# Altium PCB Slave.PcbDoc (part 5 of 10) (continued)
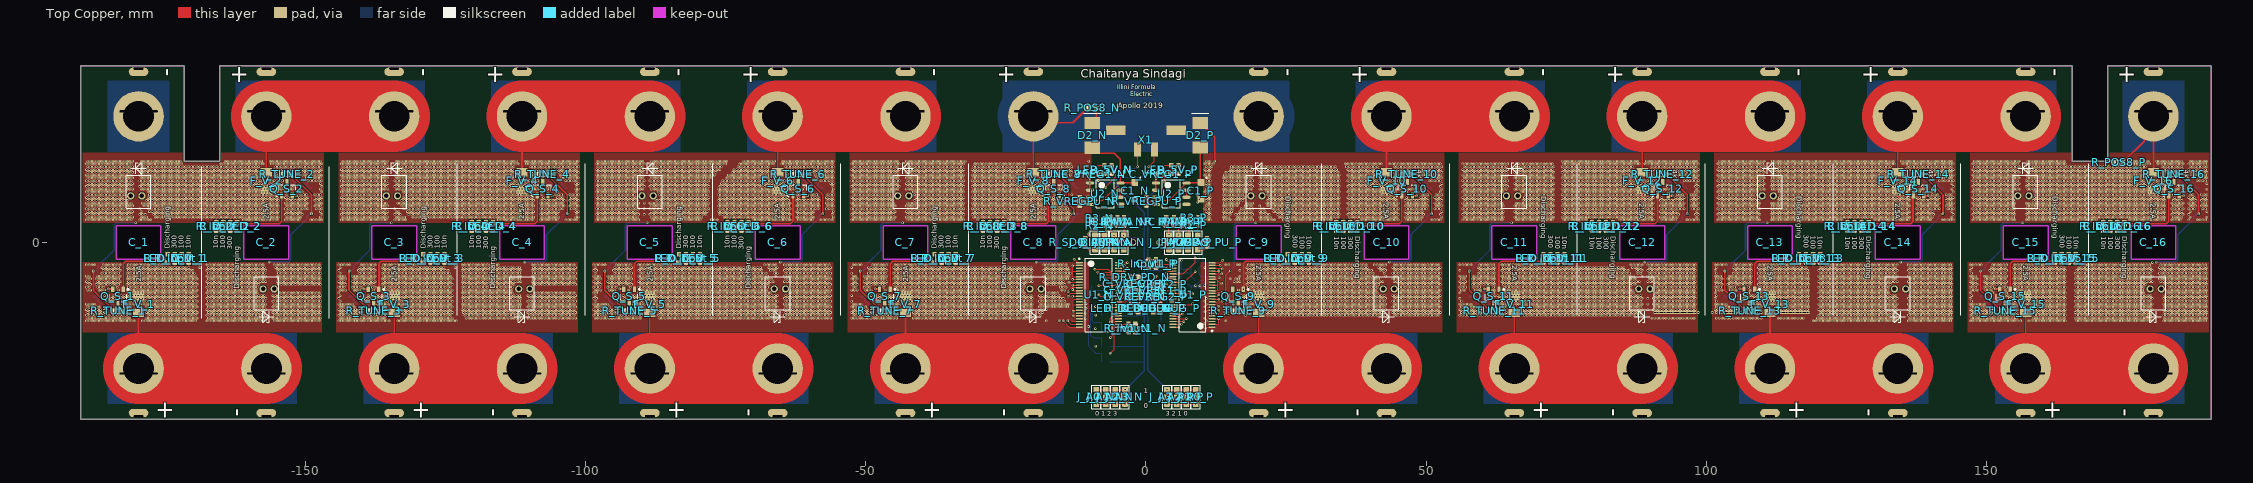
[diagram p0: Top Copper view]
## Nets (pads, with @x,y where several pads share a name; then routed paths per layer and width w, separated by ;. In a path a pad name is that pad's centre, name@x,y a point inside that pad or via, vN(x,y) a via of type N, cw(c..) or ccw(c..) an arc to the next point about the centre after c; other vN are vias at no path point) (continued)
F_10: C_V_10.2 F_V_10.2 PTC_10.2 Q_D_10.2 R_D_LED_10.2 R_Input_10.1 | length 3.9
  Top Copper w0.254: C_V_10.2@33.95,3.6 R_Input_10.1@35.2,3.6 R_D_LED_10.2@36.45,3.6
  Top Copper w0.305: v1@42.925,8.1 F_V_10.2@42.925,9.48
  other v1: 10.499,4 10.999,4 11.499,4 13.999,4 14.499,4 14.999,4 15.999,4 16.499,4 16.999,4 17.499,4 17.999,4 18.499,4 18.999,4 20.499,4 20.999,4 21.499,4 21.999,4 22.499,4 22.999,4 24.499,4 24.999,4 25.499,4 25.999,4 26.499,4 26.999,4 27.499,4 27.999,4 28.499,4 28.999,4 29.499,4 29.999,4 30.499,4 30.999,4 31.499,4 31.999,4 32.499,4 32.999,4 38.499,4 38.999,4 39.499,4 39.999,4 40.499,4 40.999,4 41.499,4 41.999,4 42.499,4 42.999,4 43.499,4 43.999,4 44.499,4 44.999,4 46.499,4 46.999,4 47.499,4 47.999,4 48.499,4 48.999,4 50.999,4 51.499,4 51.999,4 52.499,4 10.749,4.5 11.249,4.5 13.749,4.5 14.249,4.5 14.749,4.5 16.249,4.5 16.749,4.5 17.249,4.5 17.749,4.5 18.249,4.5 18.749,4.5 20.249,4.5 20.749,4.5 21.249,4.5 21.749,4.5 22.249,4.5 23.749,4.5 24.249,4.5 24.749,4.5 25.249,4.5 25.749,4.5 26.249,4.5 26.749,4.5 27.249,4.5 27.749,4.5 28.249,4.5 28.749,4.5 29.249,4.5 29.749,4.5 30.249,4.5 30.749,4.5 31.249,4.5 31.749,4.5 32.249,4.5 32.749,4.5 33.249,4.5 33.749,4.5 34.249,4.5 36.249,4.5 36.749,4.5 37.249,4.5 37.749,4.5 38.249,4.5 38.749,4.5 39.249,4.5 39.749,4.5 40.249,4.5 40.749,4.5 41.249,4.5 41.749,4.5 42.249,4.5 42.749,4.5 43.249,4.5 43.749,4.5 44.249,4.5 44.749,4.5 46.249,4.5 46.749,4.5 47.249,4.5 47.749,4.5 48.249,4.5 48.749,4.5 49.249,4.5 52.749,4.5 10.499,5 10.999,5 11.499,5 13.999,5 14.499,5 14.999,5 15.999,5 16.499,5 16.999,5 17.499,5 17.999,5 18.499,5 18.999,5 20.499,5 20.999,5 21.499,5 21.999,5 23.499,5 23.999,5 24.499,5 24.999,5 25.499,5 25.999,5 26.499,5 26.999,5 27.499,5 27.999,5 28.499,5 28.999,5 29.499,5 29.999,5 30.499,5 30.999,5 31.499,5 31.999,5 32.499,5 32.999,5 33.499,5 33.999,5 34.499,5 35.999,5 36.499,5 36.999,5 37.499,5 37.999,5 38.499,5 38.999,5 39.499,5 39.999,5 40.499,5 40.999,5 41.499,5 41.999,5 42.499,5 42.999,5 43.499,5 43.999,5 44.499,5 44.999,5 46.499,5 46.999,5 47.499,5 47.999,5 48.499,5 48.999,5 49.499,5 52.499,5 10.749,5.5 11.249,5.5 13.749,5.5 14.249,5.5 14.749,5.5 15.249,5.5 16.749,5.5 17.249,5.5 17.749,5.5 18.249,5.5 18.749,5.5 20.249,5.5 20.749,5.5 21.249,5.5 22.749,5.5 23.249,5.5 23.749,5.5 24.249,5.5 24.749,5.5 25.249,5.5 25.749,5.5 26.249,5.5 26.749,5.5 27.249,5.5 27.749,5.5 28.249,5.5 28.749,5.5 29.249,5.5 29.749,5.5 30.249,5.5 30.749,5.5 31.249,5.5 31.749,5.5 32.249,5.5 32.749,5.5 33.249,5.5 33.749,5.5 34.249,5.5 36.249,5.5 36.749,5.5 37.249,5.5 37.749,5.5 38.249,5.5 38.749,5.5 39.249,5.5 39.749,5.5 40.249,5.5 40.749,5.5 41.249,5.5 41.749,5.5 42.249,5.5 42.749,5.5 43.249,5.5 43.749,5.5 44.249,5.5 44.749,5.5 46.249,5.5 46.749,5.5 47.249,5.5 47.749,5.5 48.249,5.5 48.749,5.5 49.249,5.5 52.749,5.5 10.499,6 10.999,6 11.499,6 13.999,6 14.499,6 14.999,6 15.499,6 16.999,6 17.499,6 17.999,6 18.499,6 18.999,6 20.499,6 20.999,6 22.499,6 22.999,6 23.499,6 23.999,6 24.499,6 24.999,6 25.499,6 25.999,6 26.499,6 26.999,6 27.499,6 27.999,6 28.499,6 28.999,6 29.499,6 29.999,6 30.499,6 30.999,6 31.499,6 31.999,6 32.499,6 32.999,6 33.499,6 33.999,6 34.499,6 35.999,6 36.499,6 36.999,6 37.499,6 37.999,6 38.499,6 38.999,6 39.499,6 39.999,6 40.499,6 40.999,6 41.499,6 41.999,6 42.499,6 42.999,6 43.499,6 43.999,6 44.499,6 44.999,6 46.499,6 46.999,6 47.499,6 47.999,6 48.499,6 48.999,6 49.499,6 49.999,6 51.499,6 51.999,6 52.499,6 10.749,6.5 11.249,6.5 13.749,6.5 14.249,6.5 14.749,6.5 15.249,6.5 15.749,6.5 16.249,6.5 17.749,6.5 18.249,6.5 18.749,6.5 20.249,6.5 21.749,6.5 22.249,6.5 22.749,6.5 23.249,6.5 23.749,6.5 24.249,6.5 24.749,6.5 25.249,6.5 25.749,6.5 26.249,6.5 26.749,6.5 27.249,6.5 27.749,6.5 28.249,6.5 28.749,6.5 29.249,6.5 29.749,6.5 30.249,6.5 30.749,6.5 31.249,6.5 31.749,6.5 32.249,6.5 32.749,6.5 33.249,6.5 33.749,6.5 34.249,6.5 36.249,6.5 36.749,6.5 37.249,6.5 37.749,6.5 38.249,6.5 38.749,6.5 39.249,6.5 39.749,6.5 40.249,6.5 40.749,6.5 41.249,6.5 41.749,6.5 42.249,6.5 42.749,6.5 43.249,6.5 43.749,6.5 44.249,6.5 44.749,6.5 46.249,6.5 46.749,6.5 47.249,6.5 47.749,6.5 48.249,6.5 48.749,6.5 49.249,6.5 49.749,6.5 50.249,6.5 51.749,6.5 52.249,6.5 52.749,6.5 10.999,7 11.499,7 13.999,7 14.499,7 14.999,7 15.499,7 15.999,7 16.499,7 17.999,7 18.499,7 18.999,7 21.499,7 21.999,7 22.499,7 22.999,7 23.499,7 23.999,7 24.499,7 24.999,7 25.499,7 25.999,7 26.499,7 26.999,7 27.499,7 27.999,7 28.499,7 28.999,7 29.499,7 29.999,7 30.499,7 30.999,7 31.499,7 31.999,7 32.499,7 32.999,7 33.499,7 33.999,7 34.499,7 35.999,7 36.499,7 36.999,7 37.499,7 37.999,7 38.499,7 38.999,7 39.499,7 39.999,7 40.499,7 40.999,7 41.499,7 41.999,7 42.499,7 42.999,7 43.499,7 43.999,7 44.499,7 44.999,7 46.499,7 46.999,7 47.499,7 47.999,7 48.499,7 48.999,7 49.499,7 49.999,7 51.499,7 51.999,7 52.499,7 10.749,7.5 11.249,7.5 13.749,7.5 14.249,7.5 14.749,7.5 15.249,7.5 15.749,7.5 16.249,7.5 16.749,7.5 17.249,7.5 21.749,7.5 22.249,7.5 22.749,7.5 23.249,7.5 23.749,7.5 24.249,7.5 24.749,7.5 25.249,7.5 25.749,7.5 26.249,7.5 26.749,7.5 27.249,7.5 27.749,7.5 28.249,7.5 28.749,7.5 29.249,7.5 29.749,7.5 30.249,7.5 30.749,7.5 31.249,7.5 31.749,7.5 32.249,7.5 32.749,7.5 33.249,7.5 33.749,7.5 34.249,7.5 36.249,7.5 36.749,7.5 37.249,7.5 37.749,7.5 38.249,7.5 38.749,7.5 39.249,7.5 39.749,7.5 40.249,7.5 40.749,7.5 41.249,7.5 41.749,7.5 42.249,7.5 42.749,7.5 43.249,7.5 43.749,7.5 44.249,7.5 44.749,7.5 46.249,7.5 46.749,7.5 47.249,7.5 47.749,7.5 48.249,7.5 48.749,7.5 49.249,7.5 49.749,7.5 50.249,7.5 51.749,7.5 52.249,7.5 52.749,7.5 10.999,8 11.499,8 13.999,8 14.499,8 14.999,8 15.499,8 15.999,8 16.499,8 16.999,8 17.499,8 21.999,8 22.499,8 22.999,8 23.499,8 23.999,8 24.499,8 24.999,8 25.499,8 25.999,8 26.499,8 26.999,8 27.499,8 27.999,8 28.499,8 28.999,8 29.499,8 29.999,8 30.499,8 30.999,8 31.499,8 31.999,8 32.499,8 32.999,8 33.499,8 33.999,8 34.499,8 35.999,8 36.499,8 36.999,8 37.499,8 37.999,8 38.499,8 38.999,8 39.499,8 39.999,8 40.499,8 40.999,8 41.499,8 41.999,8 42.499,8 42.999,8 43.499,8 43.999,8 44.499,8 46.499,8 48.999,8 49.499,8 49.999,8 51.499,8 51.999,8 52.499,8 10.749,8.5 11.249,8.5 13.749,8.5 14.249,8.5 14.749,8.5 15.249,8.5 15.749,8.5 16.249,8.5 16.749,8.5 17.249,8.5 21.749,8.5 22.249,8.5 22.749,8.5 23.249,8.5 23.749,8.5 24.249,8.5 24.749,8.5 25.249,8.5 25.749,8.5 26.249,8.5 26.749,8.5 27.249,8.5 27.749,8.5 28.249,8.5 28.749,8.5 29.249,8.5 29.749,8.5 30.249,8.5 30.749,8.5 31.249,8.5 31.749,8.5 32.249,8.5 32.749,8.5 33.249,8.5 33.749,8.5 34.249,8.5 36.249,8.5 36.749,8.5 37.249,8.5 37.749,8.5 38.249,8.5 38.749,8.5 39.249,8.5 39.749,8.5 40.249,8.5 40.749,8.5 41.249,8.5 41.749,8.5 42.249,8.5 42.749,8.5 43.249,8.5 43.749,8.5 44.249,8.5 44.749,8.5 46.749,8.5 49.249,8.5 49.749,8.5 50.249,8.5 51.749,8.5 52.249,8.5 52.749,8.5 10.499,9 10.999,9 11.499,9 13.999,9 14.499,9 14.999,9 15.499,9 15.999,9 16.499,9 16.999,9 17.499,9 17.999,9 21.499,9 21.999,9 22.499,9 22.999,9 23.499,9 23.999,9 24.499,9 24.999,9 25.499,9 25.999,9 26.499,9 26.999,9 27.499,9 27.999,9 28.499,9 28.999,9 29.499,9 29.999,9 30.499,9 30.999,9 31.499,9 31.999,9 32.499,9 32.999,9 33.499,9 33.999,9 34.499,9 35.999,9 36.499,9 36.999,9 37.499,9 37.999,9 38.499,9 38.999,9 39.499,9 39.999,9 40.499,9 40.999,9 41.499,9 41.999,9 42.499,9 42.999,9 43.499,9 43.999,9 44.499,9 46.499,9 48.999,9 49.499,9 52.499,9 10.749,9.5 11.249,9.5 13.749,9.5 14.249,9.5 14.749,9.5 15.249,9.5 15.749,9.5 16.249,9.5 16.749,9.5 17.249,9.5 17.749,9.5 18.249,9.5 18.749,9.5 20.249,9.5 20.749,9.5 21.249,9.5 21.749,9.5 22.249,9.5 22.749,9.5 23.249,9.5 23.749,9.5 24.249,9.5 24.749,9.5 25.249,9.5 25.749,9.5 26.249,9.5 26.749,9.5 27.249,9.5 27.749,9.5 28.249,9.5 28.749,9.5 29.249,9.5 29.749,9.5 30.249,9.5 30.749,9.5 31.249,9.5 31.749,9.5 32.249,9.5 32.749,9.5 33.249,9.5 33.749,9.5 34.249,9.5 36.249,9.5 36.749,9.5 37.249,9.5 37.749,9.5 38.249,9.5 38.749,9.5 39.249,9.5 39.749,9.5 40.249,9.5 40.749,9.5 41.249,9.5 41.749,9.5 42.249,9.5 42.749,9.5 43.249,9.5 43.749,9.5 44.249,9.5 44.749,9.5 45.249,9.5 45.749,9.5 46.249,9.5 46.749,9.5 47.249,9.5 47.749,9.5 49.249,9.5 52.749,9.5 10.999,10 11.499,10 13.999,10 14.499,10 14.999,10 15.499,10 15.999,10 16.499,10 16.999,10 17.499,10 17.999,10 18.499,10 18.999,10 20.499,10 20.999,10 21.499,10 21.999,10 22.499,10 22.999,10 23.499,10 23.999,10 24.499,10 24.999,10 25.499,10 25.999,10 26.499,10 26.999,10 27.499,10 27.999,10 28.499,10 28.999,10 29.499,10 29.999,10 30.499,10 30.999,10 31.499,10 31.999,10 32.499,10 32.999,10 33.499,10 33.999,10 34.499,10 35.999,10 36.499,10 36.999,10 37.499,10 37.999,10 38.499,10 38.999,10 39.499,10 39.999,10 40.499,10 40.999,10 41.499,10 41.999,10 42.499,10 42.999,10 43.499,10 43.999,10 44.499,10 44.999,10 45.499,10 45.999,10 47.499,10 52.499,10 10.749,10.5 11.249,10.5 13.749,10.5 14.249,10.5 14.749,10.5 15.249,10.5 15.749,10.5 16.249,10.5 16.749,10.5 17.249,10.5 17.749,10.5 18.249,10.5 18.749,10.5 20.249,10.5 20.749,10.5 21.249,10.5 21.749,10.5 22.249,10.5 22.749,10.5 23.249,10.5 23.749,10.5 24.249,10.5 24.749,10.5 25.249,10.5 25.749,10.5 26.249,10.5 26.749,10.5 27.249,10.5 27.749,10.5 28.249,10.5 28.749,10.5 29.249,10.5 29.749,10.5 30.249,10.5 30.749,10.5 31.249,10.5 31.749,10.5 32.249,10.5 32.749,10.5 33.249,10.5 33.749,10.5 34.249,10.5 36.249,10.5 36.749,10.5 37.249,10.5 37.749,10.5 38.249,10.5 38.749,10.5 39.249,10.5 39.749,10.5 40.249,10.5 40.749,10.5 41.249,10.5 41.749,10.5 42.249,10.5 42.749,10.5 43.249,10.5 43.749,10.5 44.249,10.5 44.749,10.5 45.249,10.5 45.749,10.5 52.749,10.5 10.999,11 11.499,11 13.999,11 14.499,11 14.999,11 15.499,11 15.999,11 16.499,11 16.999,11 17.499,11 17.999,11 18.499,11 18.999,11 20.499,11 20.999,11 21.499,11 21.999,11 22.499,11 22.999,11 23.499,11 23.999,11 24.499,11 24.999,11 25.499,11 25.999,11 26.499,11 26.999,11 27.499,11 27.999,11 28.499,11 28.999,11 29.499,11 29.999,11 30.499,11 30.999,11 31.499,11 31.999,11 32.499,11 32.999,11 33.499,11 33.999,11 34.499,11 35.999,11 36.499,11 36.999,11 37.499,11 37.999,11 38.499,11 38.999,11 39.499,11 39.999,11 40.499,11 40.999,11 41.499,11 41.999,11 42.499,11 42.999,11 43.499,11 43.999,11 44.499,11 44.999,11 45.499,11 50.499,11 50.999,11 51.499,11 51.999,11 52.499,11 10.749,11.5 11.249,11.5 13.749,11.5 14.249,11.5 14.749,11.5 15.249,11.5 15.749,11.5 16.249,11.5 16.749,11.5 17.249,11.5 17.749,11.5 18.249,11.5 18.749,11.5 20.249,11.5 20.749,11.5 21.249,11.5 21.749,11.5 22.249,11.5 22.749,11.5 23.249,11.5 23.749,11.5 24.249,11.5 24.749,11.5 25.249,11.5 25.749,11.5 26.249,11.5 26.749,11.5 27.249,11.5 27.749,11.5 28.249,11.5 28.749,11.5 29.249,11.5 29.749,11.5 30.249,11.5 30.749,11.5 31.249,11.5 31.749,11.5 32.249,11.5 32.749,11.5 33.249,11.5 33.749,11.5 34.249,11.5 36.249,11.5 36.749,11.5 37.249,11.5 37.749,11.5 38.249,11.5 38.749,11.5 39.249,11.5 39.749,11.5 40.249,11.5 40.749,11.5 41.249,11.5 44.249,11.5 44.749,11.5 50.249,11.5 50.749,11.5 51.249,11.5 51.749,11.5 52.249,11.5 52.749,11.5 10.499,12 10.999,12 11.499,12 13.999,12 14.499,12 14.999,12 15.499,12 15.999,12 16.499,12 16.999,12 17.499,12 17.999,12 18.499,12 18.999,12 20.499,12 20.999,12 21.499,12 21.999,12 22.499,12 22.999,12 23.499,12 23.999,12 24.499,12 24.999,12 25.499,12 25.999,12 26.499,12 26.999,12 27.499,12 27.999,12 28.499,12 28.999,12 29.499,12 29.999,12 30.499,12 30.999,12 31.499,12 31.999,12 32.499,12 32.999,12 33.499,12 33.999,12 34.499,12 35.999,12 36.499,12 36.999,12 37.499,12 37.999,12 38.499,12 38.999,12 39.499,12 39.999,12 40.499,12 40.999,12 41.499,12 44.499,12 44.999,12 49.499,12 49.999,12 50.499,12 50.999,12 51.499,12 51.999,12 52.499,12 10.749,12.5 11.249,12.5 14.249,12.5 14.749,12.5 15.249,12.5 15.749,12.5 16.249,12.5 16.749,12.5 17.249,12.5 17.749,12.5 18.249,12.5 18.749,12.5 20.249,12.5 20.749,12.5 21.249,12.5 21.749,12.5 22.249,12.5 22.749,12.5 23.249,12.5 23.749,12.5 24.249,12.5 24.749,12.5 25.249,12.5 25.749,12.5 26.249,12.5 26.749,12.5 27.249,12.5 27.749,12.5 28.249,12.5 28.749,12.5 29.249,12.5 29.749,12.5 30.249,12.5 30.749,12.5 31.249,12.5 31.749,12.5 32.249,12.5 32.749,12.5 33.249,12.5 33.749,12.5 34.249,12.5 36.249,12.5 36.749,12.5 37.249,12.5 37.749,12.5 38.249,12.5 38.749,12.5 39.249,12.5 39.749,12.5 40.249,12.5 40.749,12.5 41.249,12.5 44.249,12.5 44.749,12.5 49.249,12.5 49.749,12.5 50.249,12.5 50.749,12.5 51.249,12.5 51.749,12.5 52.249,12.5 52.749,12.5 10.499,13 10.999,13 11.499,13 14.999,13 15.499,13 15.999,13 16.499,13 16.999,13 17.499,13 17.999,13 18.499,13 18.999,13 20.499,13 20.999,13 21.499,13 21.999,13 22.499,13 22.999,13 23.499,13 23.999,13 24.499,13 24.999,13 25.499,13 25.999,13 26.499,13 26.999,13 27.499,13 27.999,13 28.499,13 28.999,13 29.499,13 29.999,13 30.499,13 30.999,13 31.499,13 31.999,13 32.499,13 32.999,13 33.499,13 33.999,13 35.999,13 36.499,13 36.999,13 37.499,13 37.999,13 38.499,13 38.999,13 39.499,13 39.999,13 40.499,13 40.999,13 41.499,13 44.499,13 44.999,13 45.499,13 45.999,13 46.499,13 46.999,13 47.499,13 47.999,13 48.499,13 48.999,13 49.499,13 49.999,13 50.499,13 50.999,13 51.499,13 51.999,13 52.499,13 10.749,13.5 11.249,13.5 11.749,13.5 15.249,13.5 15.749,13.5 16.249,13.5 16.749,13.5 17.249,13.5 17.749,13.5 18.249,13.5 18.749,13.5 20.249,13.5 20.749,13.5 21.249,13.5 21.749,13.5 22.249,13.5 22.749,13.5 23.249,13.5 23.749,13.5 24.249,13.5 24.749,13.5 25.249,13.5 25.749,13.5 26.249,13.5 26.749,13.5 27.249,13.5 27.749,13.5 28.249,13.5 28.749,13.5 29.249,13.5 29.749,13.5 30.249,13.5 30.749,13.5 31.249,13.5 31.749,13.5 32.249,13.5 32.749,13.5 33.249,13.5 33.749,13.5 35.749,13.5 36.249,13.5 36.749,13.5 37.249,13.5 37.749,13.5 38.249,13.5 38.749,13.5 39.249,13.5 39.749,13.5 40.249,13.5 40.749,13.5 41.249,13.5 44.249,13.5 44.749,13.5 45.249,13.5 45.749,13.5 46.249,13.5 46.749,13.5 47.249,13.5 47.749,13.5 48.249,13.5 48.749,13.5 49.249,13.5 49.749,13.5 50.249,13.5 50.749,13.5 51.249,13.5 51.749,13.5 52.249,13.5 52.749,13.5 10.499,14 10.999,14 11.499,14 11.999,14 35.499,14 35.999,14 36.499,14 36.999,14 37.499,14 37.999,14 38.499,14 38.999,14 39.499,14 39.999,14 40.499,14 40.999,14 41.499,14 41.999,14 43.499,14 43.999,14 44.499,14 44.999,14 45.499,14 45.999,14 46.499,14 46.999,14 47.499,14 47.999,14 48.499,14 48.999,14 49.499,14 49.999,14 50.499,14 50.999,14 51.499,14 51.999,14 52.499,14 10.749,14.5 11.249,14.5